# Altium PCB Analog_Daughter_6U_MAX11331.PcbDoc (part 5 of 6)
Units mil, origin at the board's own origin, x right, y up, seen from the top; angles counter-clockwise.
Board outline 6811.02 x 3937.01 mil, 6 copper layers (Top Layer, GND, Signal 1, Signal 2, VCC, Bottom Layer), stack 32.112 mil thick; 520 components, 330 nets, 1678 pads, 526 vias.
Unrouted connection lines stored in the file: 277.
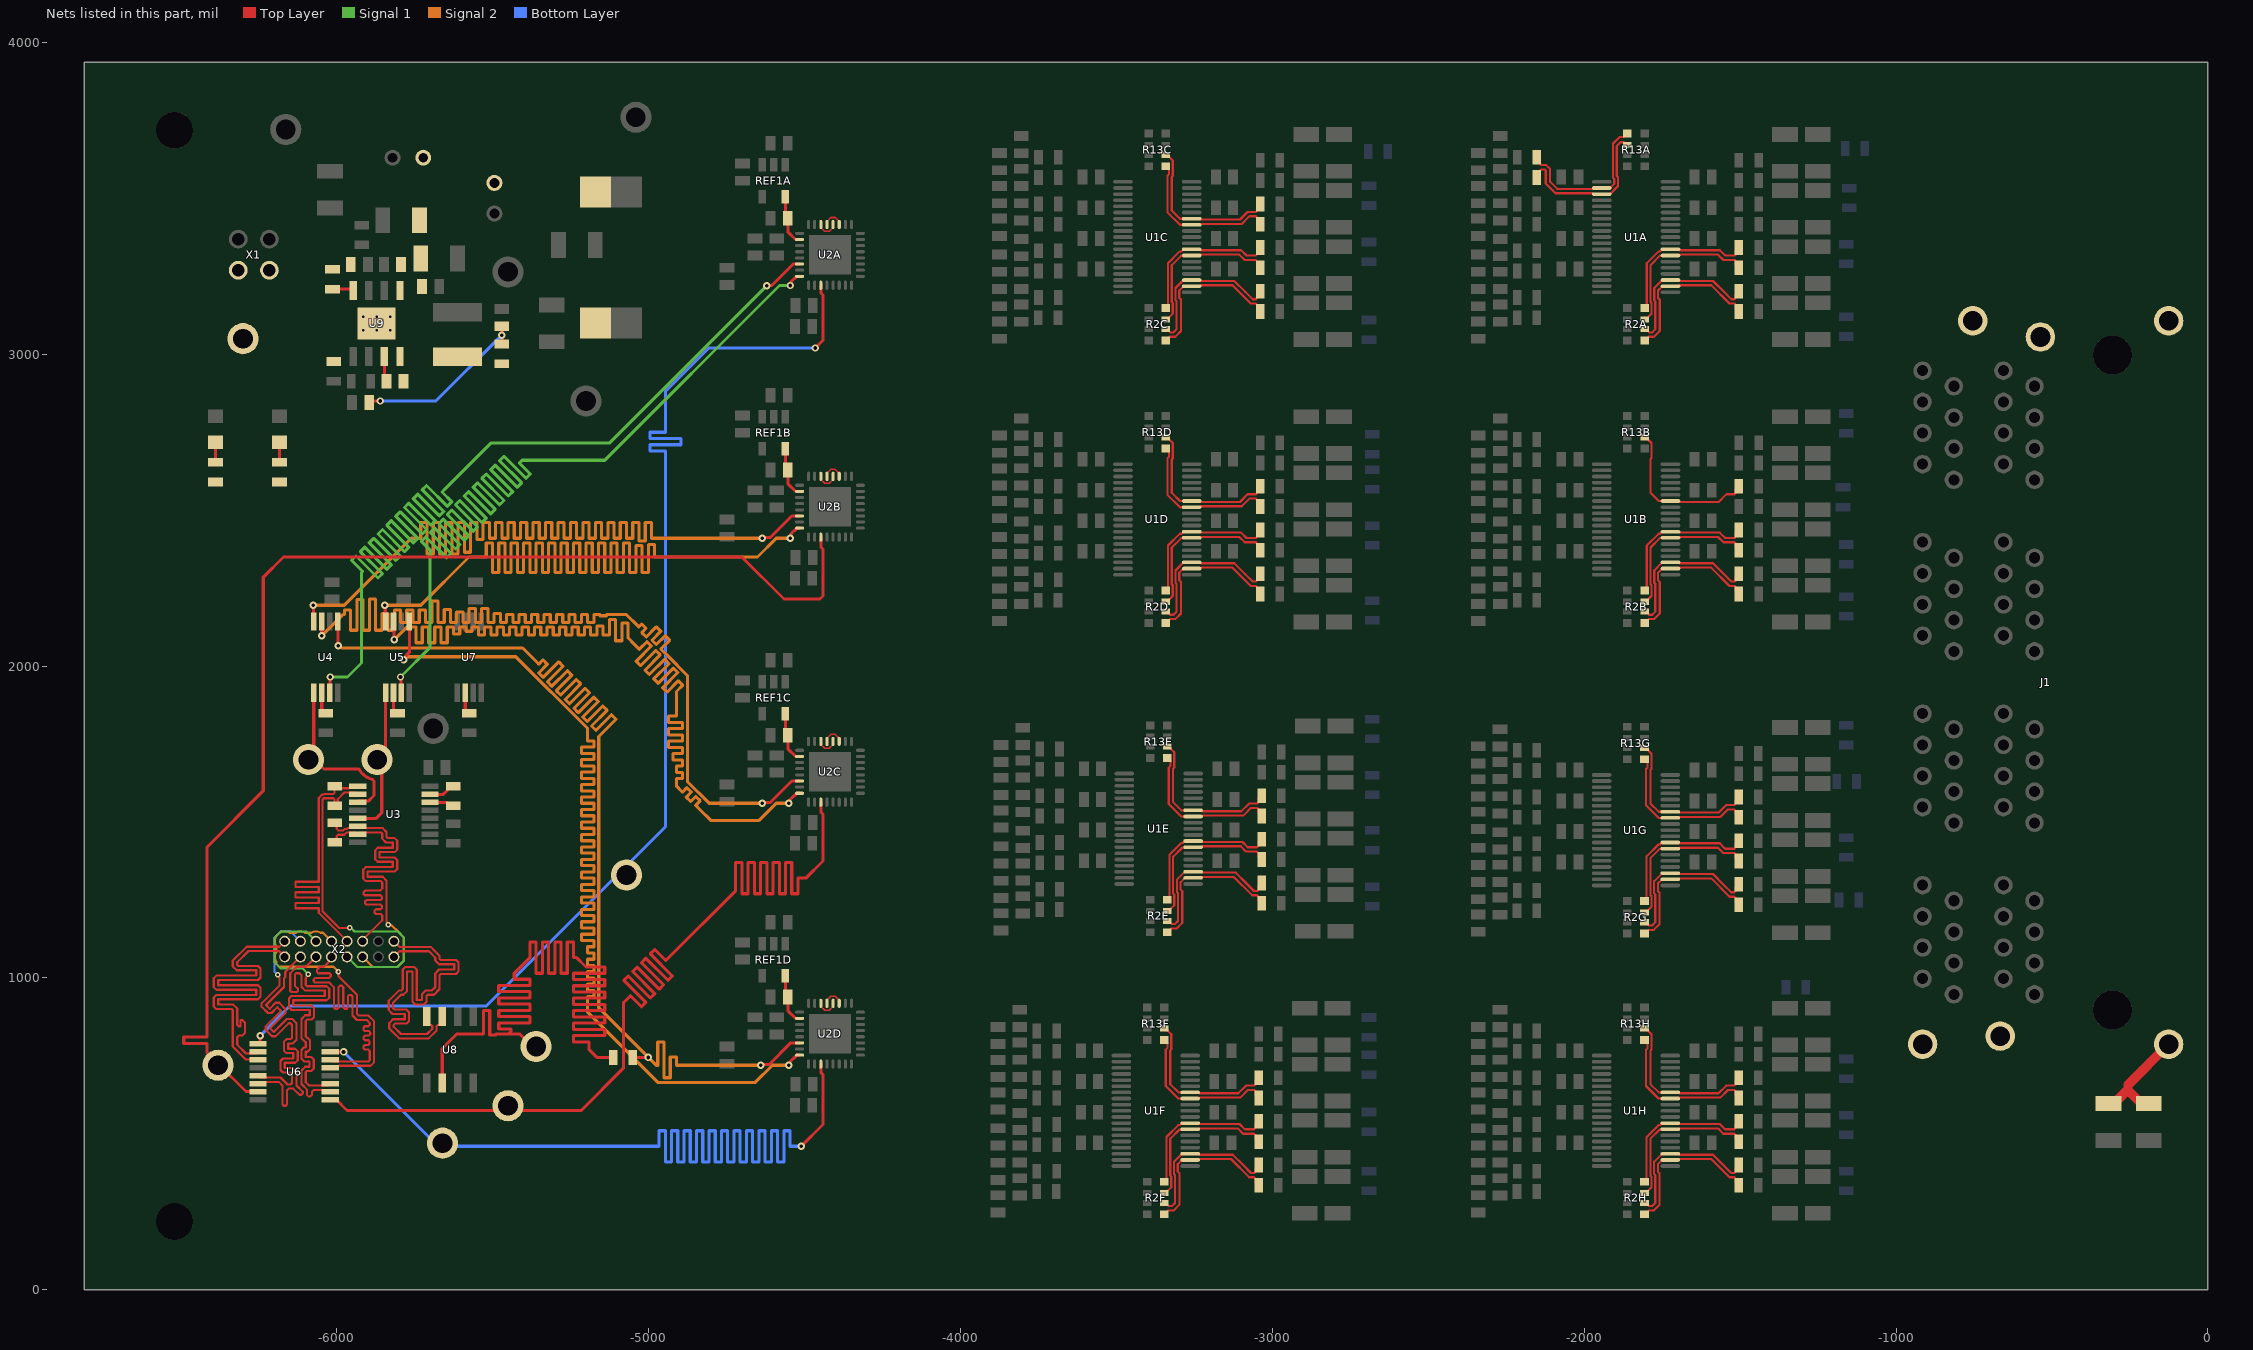
[diagram p9: the nets of this part, all layers, seen from the top]

## Via types
v1: diameter 17.72, hole 7.87, Top Layer to Bottom Layer, tented both sides, 279 vias
v2: diameter 23.62, hole 11.81, Top Layer to Bottom Layer, tented both sides, 205 vias
v3: diameter 27.56, hole 11.81, Top Layer to Bottom Layer, tented bottom, 32 vias
v4: diameter 19.68, hole 7.87, Top Layer to Bottom Layer, tented both sides, 6 vias
v5: diameter 51.18, hole 27.56, Top Layer to Bottom Layer, tented both sides, 4 vias

## Nets (pads, with @x,y where several pads share a name; then routed paths per layer and width w, separated by ;. In a path a pad name is that pad's centre, name@x,y a point inside that pad or via, vN(x,y) a via of type N, cw(c..) or ccw(c..) an arc to the next point about the centre after c; other vN are vias at no path point) (continued)
FB2B_P: R13B.2 R18B.1 U1B.13 | length 514.1
  Top Layer w7: R13B.2@-1806.39,2734.09 -1802.45,2734.09 -1784.11,2715.75 -1784.11,2666.74 -1787.47,2663.39 -1787.47,2555.78 -1761.06,2529.37 -1696.58,2529.37 -1693.74,2526.53 -1568.88,2526.53 -1544.37,2551.04 -1518.32,2551.04 -1514.22,2555.14 -1514.22,2566.26 R18B.1@-1503.94,2576.54
FB2C_N: R13C.1 R15C.1 U1C.12 | length 497
  Top Layer w7: R13C.1@-3341.82,3603.19 -3340.95,3603.19 -3331.86,3594.09 -3331.86,3576.91 -3336.9,3571.87 -3336.9,3455.49 -3296.61,3415.2 -3232.01,3415.2 -3229.17,3418.04 -3098.51,3418.04 -3074,3442.55 -3053.76,3442.55 -3049.66,3438.45 -3049.66,3427.33 R15C.1@-3039.38,3417.05
FB2C_P: R13C.2 R18C.1 U1C.13 | length 514.1
  Top Layer w7: R13C.2@-3341.82,3639.61 -3337.89,3639.61 -3319.55,3621.26 -3319.55,3572.25 -3322.9,3568.9 -3322.9,3461.29 -3296.49,3434.88 -3232.01,3434.88 -3229.17,3432.04 -3104.31,3432.04 -3079.8,3456.55 -3053.76,3456.55 -3049.66,3460.65 -3049.66,3471.77 R18C.1@-3039.38,3482.05
FB2D_N: R13D.1 R15D.1 U1D.12 | length 497
  Top Layer w7: R13D.1@-3341.82,2697.68 -3340.95,2697.68 -3331.86,2688.58 -3331.86,2671.4 -3336.9,2666.36 -3336.9,2549.98 -3296.61,2509.68 -3232.01,2509.68 -3229.17,2512.53 -3098.51,2512.53 -3074,2537.04 -3053.76,2537.04 -3049.66,2532.93 -3049.66,2521.82 R15D.1@-3039.38,2511.54
FB2D_P: R13D.2 R18D.1 U1D.13 | length 514.1
  Top Layer w7: R13D.2@-3341.82,2734.09 -3337.89,2734.09 -3319.55,2715.75 -3319.55,2666.74 -3322.9,2663.39 -3322.9,2555.78 -3296.49,2529.37 -3232.01,2529.37 -3229.17,2526.53 -3104.31,2526.53 -3079.8,2551.04 -3053.76,2551.04 -3049.66,2555.14 -3049.66,2566.26 R18D.1@-3039.38,2576.54
FB2E_N: R13E.1 R15E.1 U1E.12 | length 497
  Top Layer w7: R13E.1@-3337.39,1705.61 -3336.52,1705.61 -3327.43,1696.51 -3327.43,1679.34 -3332.47,1674.29 -3332.47,1557.91 -3292.18,1517.62 -3227.58,1517.62 -3224.74,1520.46 -3094.08,1520.46 -3069.57,1544.97 -3049.33,1544.97 -3045.23,1540.87 -3045.23,1529.75 R15E.1@-3034.95,1519.47
FB2E_P: R13E.2 R18E.1 U1E.13 | length 514.1
  Top Layer w7: R13E.2@-3337.39,1742.03 -3333.46,1742.03 -3315.12,1723.69 -3315.12,1674.68 -3318.47,1671.32 -3318.47,1563.71 -3292.06,1537.3 -3227.58,1537.3 -3224.74,1534.46 -3099.88,1534.46 -3075.37,1558.97 -3049.33,1558.97 -3045.23,1563.07 -3045.23,1574.19 R18E.1@-3034.95,1584.47
FB2F_N: R13F.1 R15F.1 U1F.12 | length 497
  Top Layer w7: R13F.1@-3346.86,801.14 -3345.99,801.14 -3336.9,792.04 -3336.9,774.87 -3341.94,769.82 -3341.94,653.44 -3301.65,613.15 -3237.05,613.15 -3234.21,615.99 -3103.55,615.99 -3079.04,640.5 -3058.8,640.5 -3054.69,636.4 -3054.69,625.28 R15F.1@-3044.42,615
FB2F_P: R13F.2 R18F.1 U1F.13 | length 514.1
  Top Layer w7: R13F.2@-3346.86,837.56 -3342.93,837.56 -3324.58,819.22 -3324.58,770.21 -3327.94,766.85 -3327.94,659.24 -3301.53,632.83 -3237.05,632.83 -3234.21,629.99 -3109.35,629.99 -3084.84,654.5 -3058.8,654.5 -3054.69,658.6 -3054.69,669.72 R18F.1@-3044.42,680
FB2G_N: R13G.1 R15G.1 U1G.12 | length 497
  Top Layer w7: R13G.1@-1806.86,1701.14 -1805.99,1701.14 -1796.9,1692.04 -1796.9,1674.87 -1801.94,1669.82 -1801.94,1553.44 -1761.65,1513.15 -1697.05,1513.15 -1694.21,1515.99 -1563.55,1515.99 -1539.04,1540.5 -1518.8,1540.5 -1514.69,1536.4 -1514.69,1525.28 R15G.1@-1504.42,1515
FB2G_P: R13G.2 R18G.1 U1G.13 | length 514.1
  Top Layer w7: R13G.2@-1806.86,1737.56 -1802.93,1737.56 -1784.58,1719.22 -1784.58,1670.21 -1787.94,1666.85 -1787.94,1559.24 -1761.53,1532.83 -1697.05,1532.83 -1694.21,1529.99 -1569.35,1529.99 -1544.84,1554.5 -1518.8,1554.5 -1514.69,1558.6 -1514.69,1569.72 R18G.1@-1504.42,1580
FB2H_N: R13H.1 R15H.1 U1H.12 | length 497
  Top Layer w7: R13H.1@-1806.86,801.14 -1805.99,801.14 -1796.9,792.04 -1796.9,774.87 -1801.94,769.82 -1801.94,653.44 -1761.65,613.15 -1697.05,613.15 -1694.21,615.99 -1563.55,615.99 -1539.04,640.5 -1518.8,640.5 -1514.69,636.4 -1514.69,625.28 R15H.1@-1504.42,615
FB2H_P: R13H.2 R18H.1 U1H.13 | length 514.1
  Top Layer w7: R13H.2@-1806.86,837.56 -1802.93,837.56 -1784.58,819.22 -1784.58,770.21 -1787.94,766.85 -1787.94,659.24 -1761.53,632.83 -1697.05,632.83 -1694.21,629.99 -1569.35,629.99 -1544.84,654.5 -1518.8,654.5 -1514.69,658.6 -1514.69,669.72 R18H.1@-1504.42,680
FB3A_N: R2A.3 R9A.1 U1A.7 | length 508.4
  Top Layer w7: R2A.3@-1806.39,3112.05 -1802.45,3112.05 -1784.11,3130.39 -1784.11,3164.58 -1787.47,3167.94 -1787.47,3285.95 -1757.45,3315.96 -1724.28,3315.96 U1A.7@-1723.47,3316.77 -1696.58,3316.77 -1693.74,3319.61 -1570.86,3319.61 -1553.79,3302.55 -1518.32,3302.55 -1514.22,3298.45 -1514.22,3287.33 R9A.1@-1503.94,3277.05
FB3A_P: R2A.4 R12A.1 U1A.8 | length 485.6
  Top Layer w7: R2A.4@-1806.39,3148.46 -1799.47,3155.39 -1799.47,3291.96 -1761.46,3329.96 -1756.86,3329.96 -1750.36,3336.46 U1A.8@-1723.47,3336.46 -1696.58,3336.46 -1693.74,3333.61 -1565.06,3333.61 -1547.99,3316.55 -1518.32,3316.55 -1514.22,3320.65 -1514.22,3331.77 R12A.1@-1503.94,3342.05
FB3B_N: R2B.3 R9B.1 U1B.7 | length 508.4
  Top Layer w7: R2B.3@-1806.39,2206.54 -1802.45,2206.54 -1784.11,2224.88 -1784.11,2259.07 -1787.47,2262.43 -1787.47,2380.44 -1757.45,2410.45 -1724.28,2410.45 U1B.7@-1723.47,2411.26 -1696.58,2411.26 -1693.74,2414.1 -1570.86,2414.1 -1553.79,2397.04 -1518.32,2397.04 -1514.22,2392.93 -1514.22,2381.82 R9B.1@-1503.94,2371.54
FB3B_P: R2B.4 R12B.1 U1B.8 | length 485.6
  Top Layer w7: R2B.4@-1806.39,2242.95 -1799.47,2249.88 -1799.47,2386.44 -1761.46,2424.45 -1756.86,2424.45 -1750.36,2430.94 U1B.8@-1723.47,2430.94 -1696.58,2430.94 -1693.74,2428.1 -1565.06,2428.1 -1547.99,2411.04 -1518.32,2411.04 -1514.22,2415.14 -1514.22,2426.26 R12B.1@-1503.94,2436.54
FB3C_N: R2C.3 R9C.1 U1C.7 | length 508.4
  Top Layer w7: R2C.3@-3341.82,3112.05 -3337.89,3112.05 -3319.55,3130.39 -3319.55,3164.58 -3322.9,3167.94 -3322.9,3285.95 -3292.89,3315.96 -3259.71,3315.96 U1C.7@-3258.9,3316.77 -3232.01,3316.77 -3229.17,3319.61 -3106.29,3319.61 -3089.22,3302.55 -3053.76,3302.55 -3049.66,3298.45 -3049.66,3287.33 R9C.1@-3039.38,3277.05
FB3C_P: R2C.4 R12C.1 U1C.8 | length 485.6
  Top Layer w7: R2C.4@-3341.82,3148.46 -3334.9,3155.39 -3334.9,3291.96 -3296.89,3329.96 -3292.29,3329.96 -3285.8,3336.46 U1C.8@-3258.9,3336.46 -3232.01,3336.46 -3229.17,3333.61 -3100.49,3333.61 -3083.42,3316.55 -3053.76,3316.55 -3049.66,3320.65 -3049.66,3331.77 R12C.1@-3039.38,3342.05
FB3D_N: R2D.3 R9D.1 U1D.7 | length 508.4
  Top Layer w7: R2D.3@-3341.82,2206.54 -3337.89,2206.54 -3319.55,2224.88 -3319.55,2259.07 -3322.9,2262.43 -3322.9,2380.44 -3292.89,2410.45 -3259.71,2410.45 U1D.7@-3258.9,2411.26 -3232.01,2411.26 -3229.17,2414.1 -3106.29,2414.1 -3089.22,2397.04 -3053.76,2397.04 -3049.66,2392.93 -3049.66,2381.82 R9D.1@-3039.38,2371.54
FB3D_P: R2D.4 R12D.1 U1D.8 | length 485.6
  Top Layer w7: R2D.4@-3341.82,2242.95 -3334.9,2249.88 -3334.9,2386.44 -3296.89,2424.45 -3292.29,2424.45 -3285.8,2430.94 U1D.8@-3258.9,2430.94 -3232.01,2430.94 -3229.17,2428.1 -3100.49,2428.1 -3083.42,2411.04 -3053.76,2411.04 -3049.66,2415.14 -3049.66,2426.26 R12D.1@-3039.38,2436.54
FB3E_N: R2E.3 R9E.1 U1E.7 | length 508.4
  Top Layer w7: R2E.3@-3337.39,1214.47 -3333.46,1214.47 -3315.12,1232.81 -3315.12,1267.01 -3318.47,1270.36 -3318.47,1388.37 -3288.46,1418.39 -3255.28,1418.39 U1E.7@-3254.47,1419.19 -3227.58,1419.19 -3224.74,1422.04 -3101.86,1422.04 -3084.79,1404.97 -3049.33,1404.97 -3045.23,1400.87 -3045.23,1389.75 R9E.1@-3034.95,1379.47
FB3E_P: R2E.4 R12E.1 U1E.8 | length 485.6
  Top Layer w7: R2E.4@-3337.39,1250.89 -3330.47,1257.81 -3330.47,1394.38 -3292.46,1432.39 -3287.86,1432.39 -3281.37,1438.88 U1E.8@-3254.47,1438.88 -3227.58,1438.88 -3224.74,1436.04 -3096.06,1436.04 -3078.99,1418.97 -3049.33,1418.97 -3045.23,1423.07 -3045.23,1434.19 R12E.1@-3034.95,1444.47
FB3F_N: R2F.3 R9F.1 U1F.7 | length 508.4
  Top Layer w7: R2F.3@-3346.86,310 -3342.93,310 -3324.58,328.34 -3324.58,362.54 -3327.94,365.89 -3327.94,483.9 -3297.93,513.92 -3264.75,513.92 U1F.7@-3263.94,514.72 -3237.05,514.72 -3234.21,517.57 -3111.33,517.57 -3094.26,500.5 -3058.8,500.5 -3054.69,496.4 -3054.69,485.28 R9F.1@-3044.42,475
FB3F_P: R2F.4 R12F.1 U1F.8 | length 485.6
  Top Layer w7: R2F.4@-3346.86,346.42 -3339.94,353.34 -3339.94,489.91 -3301.93,527.92 -3297.33,527.92 -3290.84,534.41 U1F.8@-3263.94,534.41 -3237.05,534.41 -3234.21,531.57 -3105.53,531.57 -3088.46,514.5 -3058.8,514.5 -3054.69,518.6 -3054.69,529.72 R12F.1@-3044.42,540
FB3G_N: R2G.3 R9G.1 U1G.7 | length 508.4
  Top Layer w7: R2G.3@-1806.86,1210 -1802.93,1210 -1784.58,1228.34 -1784.58,1262.54 -1787.94,1265.89 -1787.94,1383.9 -1757.93,1413.92 -1724.75,1413.92 U1G.7@-1723.94,1414.72 -1697.05,1414.72 -1694.21,1417.57 -1571.33,1417.57 -1554.26,1400.5 -1518.8,1400.5 -1514.69,1396.4 -1514.69,1385.28 R9G.1@-1504.42,1375
FB3G_P: R2G.4 R12G.1 U1G.8 | length 485.6
  Top Layer w7: R2G.4@-1806.86,1246.42 -1799.94,1253.34 -1799.94,1389.91 -1761.93,1427.92 -1757.33,1427.92 -1750.84,1434.41 U1G.8@-1723.94,1434.41 -1697.05,1434.41 -1694.21,1431.57 -1565.53,1431.57 -1548.46,1414.5 -1518.8,1414.5 -1514.69,1418.6 -1514.69,1429.72 R12G.1@-1504.42,1440
FB3H_N: R2H.3 R9H.1 U1H.7 | length 508.4
  Top Layer w7: R2H.3@-1806.86,310 -1802.93,310 -1784.58,328.34 -1784.58,362.54 -1787.94,365.89 -1787.94,483.9 -1757.93,513.92 -1724.75,513.92 U1H.7@-1723.94,514.72 -1697.05,514.72 -1694.21,517.57 -1571.33,517.57 -1554.26,500.5 -1518.8,500.5 -1514.69,496.4 -1514.69,485.28 R9H.1@-1504.42,475
FB3H_P: R2H.4 R12H.1 U1H.8 | length 485.6
  Top Layer w7: R2H.4@-1806.86,346.42 -1799.94,353.34 -1799.94,489.91 -1761.93,527.92 -1757.33,527.92 -1750.84,534.41 U1H.8@-1723.94,534.41 -1697.05,534.41 -1694.21,531.57 -1565.53,531.57 -1548.46,514.5 -1518.8,514.5 -1514.69,518.6 -1514.69,529.72 R12H.1@-1504.42,540
FB4A_N: R2A.1 R4A.1 U1A.2 | length 501
  Top Layer w7: R2A.1@-1806.39,3044.13 -1805.21,3044.13 -1793.19,3056.15 -1776.31,3056.15 -1758.11,3074.35 -1758.11,3175.35 -1763.47,3180.71 -1763.47,3204.63 -1749.75,3218.35 U1A.2@-1723.47,3218.35 -1696.58,3218.35 -1693.74,3221.19 -1592.66,3221.19 -1534.02,3162.55 -1518.32,3162.55 -1514.22,3158.45 -1514.22,3147.33 R4A.1@-1503.94,3137.05
FB4A_P: R2A.2 R7A.1 U1A.3 | length 501
  Top Layer w7: R2A.2@-1806.39,3080.55 -1802.45,3080.55 -1792.05,3070.15 -1782.11,3070.15 -1772.11,3080.15 -1772.11,3169.55 -1775.47,3172.91 -1775.47,3212.31 -1749.75,3238.03 U1A.3@-1723.47,3238.03 -1696.58,3238.03 -1693.74,3235.19 -1586.86,3235.19 -1551.97,3200.3 -1528.22,3176.55 -1518.32,3176.55 -1514.22,3180.65 -1514.22,3191.77 R7A.1@-1503.94,3202.05
FB4B_N: R2B.1 R4B.1 U1B.2 | length 501
  Top Layer w7: R2B.1@-1806.39,2138.62 -1805.21,2138.62 -1793.19,2150.64 -1776.31,2150.64 -1758.11,2168.84 -1758.11,2269.84 -1763.47,2275.2 -1763.47,2299.12 -1749.75,2312.83 U1B.2@-1723.47,2312.83 -1696.58,2312.83 -1693.74,2315.68 -1592.66,2315.68 -1534.02,2257.04 -1518.32,2257.04 -1514.22,2252.93 -1514.22,2241.82 R4B.1@-1503.94,2231.54
FB4B_P: R2B.2 R7B.1 U1B.3 | length 501
  Top Layer w7: R2B.2@-1806.39,2175.04 -1802.45,2175.04 -1792.05,2164.64 -1782.11,2164.64 -1772.11,2174.64 -1772.11,2264.04 -1775.47,2267.4 -1775.47,2306.8 -1749.75,2332.52 U1B.3@-1723.47,2332.52 -1696.58,2332.52 -1693.74,2329.68 -1586.86,2329.68 -1551.97,2294.79 -1528.22,2271.04 -1518.32,2271.04 -1514.22,2275.14 -1514.22,2286.26 R7B.1@-1503.94,2296.54
FB4C_N: R2C.1 R4C.1 U1C.2 | length 501
  Top Layer w7: R2C.1@-3341.82,3044.13 -3340.64,3044.13 -3328.63,3056.15 -3311.75,3056.15 -3293.55,3074.35 -3293.55,3175.35 -3298.9,3180.71 -3298.9,3204.63 -3285.18,3218.35 U1C.2@-3258.9,3218.35 -3232.01,3218.35 -3229.17,3221.19 -3128.1,3221.19 -3069.45,3162.55 -3053.76,3162.55 -3049.66,3158.45 -3049.66,3147.33 R4C.1@-3039.38,3137.05
FB4C_P: R2C.2 R7C.1 U1C.3 | length 501
  Top Layer w7: R2C.2@-3341.82,3080.55 -3337.89,3080.55 -3327.49,3070.15 -3317.55,3070.15 -3307.55,3080.15 -3307.55,3169.55 -3310.9,3172.91 -3310.9,3212.31 -3285.18,3238.03 U1C.3@-3258.9,3238.03 -3232.01,3238.03 -3229.17,3235.19 -3122.3,3235.19 -3087.41,3200.3 -3063.66,3176.55 -3053.76,3176.55 -3049.66,3180.65 -3049.66,3191.77 R7C.1@-3039.38,3202.05
FB4D_N: R2D.1 R4D.1 U1D.2 | length 501
  Top Layer w7: R2D.1@-3341.82,2138.62 -3340.64,2138.62 -3328.63,2150.64 -3311.75,2150.64 -3293.55,2168.84 -3293.55,2269.84 -3298.9,2275.2 -3298.9,2299.12 -3285.18,2312.83 U1D.2@-3258.9,2312.83 -3232.01,2312.83 -3229.17,2315.68 -3128.1,2315.68 -3069.45,2257.04 -3053.76,2257.04 -3049.66,2252.93 -3049.66,2241.82 R4D.1@-3039.38,2231.54
FB4D_P: R2D.2 R7D.1 U1D.3 | length 501
  Top Layer w7: R2D.2@-3341.82,2175.04 -3337.89,2175.04 -3327.49,2164.64 -3317.55,2164.64 -3307.55,2174.64 -3307.55,2264.04 -3310.9,2267.4 -3310.9,2306.8 -3285.18,2332.52 U1D.3@-3258.9,2332.52 -3232.01,2332.52 -3229.17,2329.68 -3122.3,2329.68 -3087.41,2294.79 -3063.66,2271.04 -3053.76,2271.04 -3049.66,2275.14 -3049.66,2286.26 R7D.1@-3039.38,2296.54
FB4E_N: R2E.1 R4E.1 U1E.2 | length 501
  Top Layer w7: R2E.1@-3337.39,1146.56 -3336.21,1146.56 -3324.2,1158.57 -3307.32,1158.57 -3289.12,1176.77 -3289.12,1277.77 -3294.47,1283.13 -3294.47,1307.05 -3280.75,1320.77 U1E.2@-3254.47,1320.77 -3227.58,1320.77 -3224.74,1323.61 -3123.67,1323.61 -3065.02,1264.97 -3049.33,1264.97 -3045.23,1260.87 -3045.23,1249.75 R4E.1@-3034.95,1239.47
FB4E_P: R2E.2 R7E.1 U1E.3 | length 501
  Top Layer w7: R2E.2@-3337.39,1182.97 -3333.46,1182.97 -3323.06,1172.57 -3313.12,1172.57 -3303.12,1182.57 -3303.12,1271.98 -3306.47,1275.33 -3306.47,1314.73 -3280.75,1340.45 U1E.3@-3254.47,1340.45 -3227.58,1340.45 -3224.74,1337.61 -3117.87,1337.61 -3082.98,1302.72 -3059.23,1278.97 -3049.33,1278.97 -3045.23,1283.07 -3045.23,1294.19 R7E.1@-3034.95,1304.47
FB4F_N: R2F.1 R4F.1 U1F.2 | length 501
  Top Layer w7: R2F.1@-3346.86,242.09 -3345.68,242.09 -3333.67,254.1 -3316.79,254.1 -3298.58,272.3 -3298.58,373.31 -3303.94,378.66 -3303.94,402.58 -3290.22,416.3 U1F.2@-3263.94,416.3 -3237.05,416.3 -3234.21,419.14 -3133.14,419.14 -3074.49,360.5 -3058.8,360.5 -3054.69,356.4 -3054.69,345.28 R4F.1@-3044.42,335
FB4F_P: R2F.2 R7F.1 U1F.3 | length 501
  Top Layer w7: R2F.2@-3346.86,278.5 -3342.93,278.5 -3332.53,268.1 -3322.58,268.1 -3312.58,278.1 -3312.58,367.51 -3315.94,370.86 -3315.94,410.27 -3290.22,435.98 U1F.3@-3263.94,435.98 -3237.05,435.98 -3234.21,433.14 -3127.34,433.14 -3092.45,398.25 -3068.69,374.5 -3058.8,374.5 -3054.69,378.6 -3054.69,389.72 R7F.1@-3044.42,400
FB4G_N: R2G.1 R4G.1 U1G.2 | length 501
  Top Layer w7: R2G.1@-1806.86,1142.09 -1805.68,1142.09 -1793.67,1154.1 -1776.79,1154.1 -1758.58,1172.3 -1758.58,1273.31 -1763.94,1278.66 -1763.94,1302.58 -1750.22,1316.3 U1G.2@-1723.94,1316.3 -1697.05,1316.3 -1694.21,1319.14 -1593.14,1319.14 -1534.49,1260.5 -1518.8,1260.5 -1514.69,1256.4 -1514.69,1245.28 R4G.1@-1504.42,1235
FB4G_P: R2G.2 R7G.1 U1G.3 | length 501
  Top Layer w7: R2G.2@-1806.86,1178.5 -1802.93,1178.5 -1792.53,1168.1 -1782.58,1168.1 -1772.58,1178.1 -1772.58,1267.51 -1775.94,1270.86 -1775.94,1310.27 -1750.22,1335.98 U1G.3@-1723.94,1335.98 -1697.05,1335.98 -1694.21,1333.14 -1587.34,1333.14 -1552.45,1298.25 -1528.69,1274.5 -1518.8,1274.5 -1514.69,1278.6 -1514.69,1289.72 R7G.1@-1504.42,1300
FB4H_N: R2H.1 R4H.1 U1H.2 | length 501
  Top Layer w7: R2H.1@-1806.86,242.09 -1805.68,242.09 -1793.67,254.1 -1776.79,254.1 -1758.58,272.3 -1758.58,373.31 -1763.94,378.66 -1763.94,402.58 -1750.22,416.3 U1H.2@-1723.94,416.3 -1697.05,416.3 -1694.21,419.14 -1593.14,419.14 -1534.49,360.5 -1518.8,360.5 -1514.69,356.4 -1514.69,345.28 R4H.1@-1504.42,335
FB4H_P: R2H.2 R7H.1 U1H.3 | length 501
  Top Layer w7: R2H.2@-1806.86,278.5 -1802.93,278.5 -1792.53,268.1 -1782.58,268.1 -1772.58,278.1 -1772.58,367.51 -1775.94,370.86 -1775.94,410.27 -1750.22,435.98 U1H.3@-1723.94,435.98 -1697.05,435.98 -1694.21,433.14 -1587.34,433.14 -1552.45,398.25 -1528.69,374.5 -1518.8,374.5 -1514.69,378.6 -1514.69,389.72 R7H.1@-1504.42,400
FGND: C1.1 J1.S1 J1.S2 J1.S3 J1.S4 J1.S5 J1.S6 R1.1 | length 336.3
  Top Layer w30: R1.1@-318.99,597.01 -301.27,597.01 -256.42,641.86 ; C1.1@-218.36,602.01 -256.42,640.07 -256.42,641.86 ; J1.S3@-125.99,787.4 -256.42,656.97 -256.42,641.86
MISOA: TP8.1 U2A.27 U6.1 | length 4057.2
  Top Layer w10: U6.1@-6253.71,789.13 -6250.28,789.13 -6246.42,792.99 v2(-6246.42,815) ; v2(-4466.42,3020) -4441.42,3045 -4441.42,3190 -4448.39,3196.97 U2A.27@-4448.39,3221.46
  Bottom Layer w10: v2(-6246.42,815) -6151.42,910 -5521.42,910 -4946.42,1485 -4946.42,2685 -4946.42,2690 -4996.42,2690 -4996.42,2710 -4896.42,2710 -4896.42,2730 -4996.42,2730 -4996.42,2750 -4946.42,2750 -4946.42,2770 -4946.42,2881.82 -4808.25,3020 v2(-4466.42,3020)
MISOADC1_N: U6.3 X2.2 | length 1080.6
  Top Layer w7: U6.3@-6253.71,737.95 -6291.77,737.95 -6334,780.18 -6334,830 -6334,880 -6334,896.2 -6338.1,900.3 -6386.8,900.3 -6395,908.5 -6395,937.1 -6386.8,945.3 -6259,945.3 -6259,962.3 -6386.8,962.3 -6395,970.5 -6395,999.1 -6386.8,1007.3 -6259,1007.3 -6259,1024.3 -6321.7,1024.3 -6334,1036.6 -6334,1050 -6334,1055.8 -6289.8,1100 -6185.13,1100 X2.2@-6167.57,1117.57
MISOADC1_P: U6.2 X2.1 | length 1108.6
  Top Layer w7: U6.2@-6253.71,763.54 -6259.07,758.18 -6281.43,758.18 -6281.87,757.75 -6291.77,757.75 -6320,785.98 -6320,810 -6315,815 -6304.1,815 -6295,824.1 -6295,855.9 -6304.1,865 -6309,865 -6309,845 -6315.9,845 -6320,849.1 -6320,880 -6320,902 -6332.3,914.3 -6381,914.3 -6381,931.3 -6253.2,931.3 -6245,939.5 -6245,968.1 -6253.2,976.3 -6381,976.3 -6381,993.3 -6253.2,993.3 -6245,1001.5 -6245,1030.1 -6253.2,1038.3 -6315.9,1038.3 -6320,1042.4 -6320,1050 -6284,1086 -6186,1086 X2.1@-6167.57,1067.57
MISOADC2_N: U6.5 X2.4 | length 1057
  Top Layer w7: U6.5@-6253.71,686.77 -6248.35,681.41 -6225.98,681.41 -6225.55,680.98 -6202.85,680.98 -6202.41,680.54 -6181.31,680.54 -6158.86,658.09 -6149.1,658.09 -6144,663.19 -6144,685 -6144,692.6 -6148.1,696.7 -6173.2,696.7 -6181.4,704.9 -6181.4,733.5 -6173.2,741.7 -6140,741.7 -6140,758.7 -6162.15,758.7 -6170.35,766.9 -6170.35,795.5 -6162.15,803.7 -6148.1,803.7 -6144,807.8 -6144,835 -6144,849 -6149.37,854.37 -6155.17,854.37 -6196.79,812.76 -6208.39,812.76 -6228.61,832.98 -6228.61,844.58 -6179.09,894.09 -6191.12,906.11 -6209.89,887.34 -6221.48,887.34 -6241.71,907.57 -6241.71,919.16 -6184,976.87 -6184,986 -6184,1001.1 -6187.95,1005.05 -6187.95,1005.38 -6186.67,1006.67 v1(-6190,1010)
  Bottom Layer w7: v1(-6190,1010) -6200,1020 -6200,1130 -6180,1150 -6150,1150 X2.4@-6117.57,1117.57
MISOADC2_P: U6.6 X2.3 | length 1095.7
  Top Layer w7: U6.6@-6253.71,661.18 -6248.35,666.54 -6187.11,666.54 -6175,654.43 -6175,594.1 -6170.9,590 -6164.1,590 -6160,594.1 -6160,640 -6155,645 -6140,645 -6120.1,625.1 -6113.9,625.1 -6110,629 -6110,635 -6130,655 -6130,685 -6130,698.4 -6142.3,710.7 -6167.4,710.7 -6167.4,727.7 -6134.2,727.7 -6126,735.9 -6126,764.5 -6134.2,772.7 -6156.35,772.7 -6156.35,789.7 -6142.3,789.7 -6130,802 -6130,835 -6130,854.8 -6134.1,858.9 -6143.58,868.37 -6160.97,868.37 -6202.59,826.76 -6214.61,838.78 -6165.09,888.29 -6165.09,899.89 -6185.32,920.11 -6196.91,920.11 -6215.68,901.34 -6227.71,913.37 -6170,971.07 -6170,986.02 -6170,998.38 -6165.96,1002.42 -6165.96,1019.17 X2.3@-6117.57,1067.57
MISOADC3_N: U6.11 X2.6 | length 1106.1
  Top Layer w7: v1(-6091.64,1011.87) -6091.64,1008.97 -6100,1000.61 -6100,985 -6100,977.4 -6095.9,973.3 -6033.2,973.3 -6025,965.1 -6025,936.5 -6033.2,928.3 -6140,928.3 -6140,911.3 -6081.44,911.3 -6073.24,903.1 -6073.24,874.5 -6081.44,866.3 -6095.9,866.3 -6100,862.2 -6100,830 -6100,820 -6100,812.4 -6095.9,808.3 -6094.62,808.3 -6086.42,800.1 -6086.42,771.5 -6094.62,763.3 -6100,763.3 -6100,746.3 -6082.46,746.3 -6074.26,738.1 -6074.26,709.5 -6082.46,701.3 -6095.9,701.3 -6100,697.2 -6100,685 -6100,665.39 -6090,655.39 -6059.48,655.39 -6049.58,655.39 -6049.15,655.82 -6026.78,655.82 U6.11@-6021.42,661.18